# Altium PCB Stabilizer.PCBDOC (part 4 of 8) (continued)
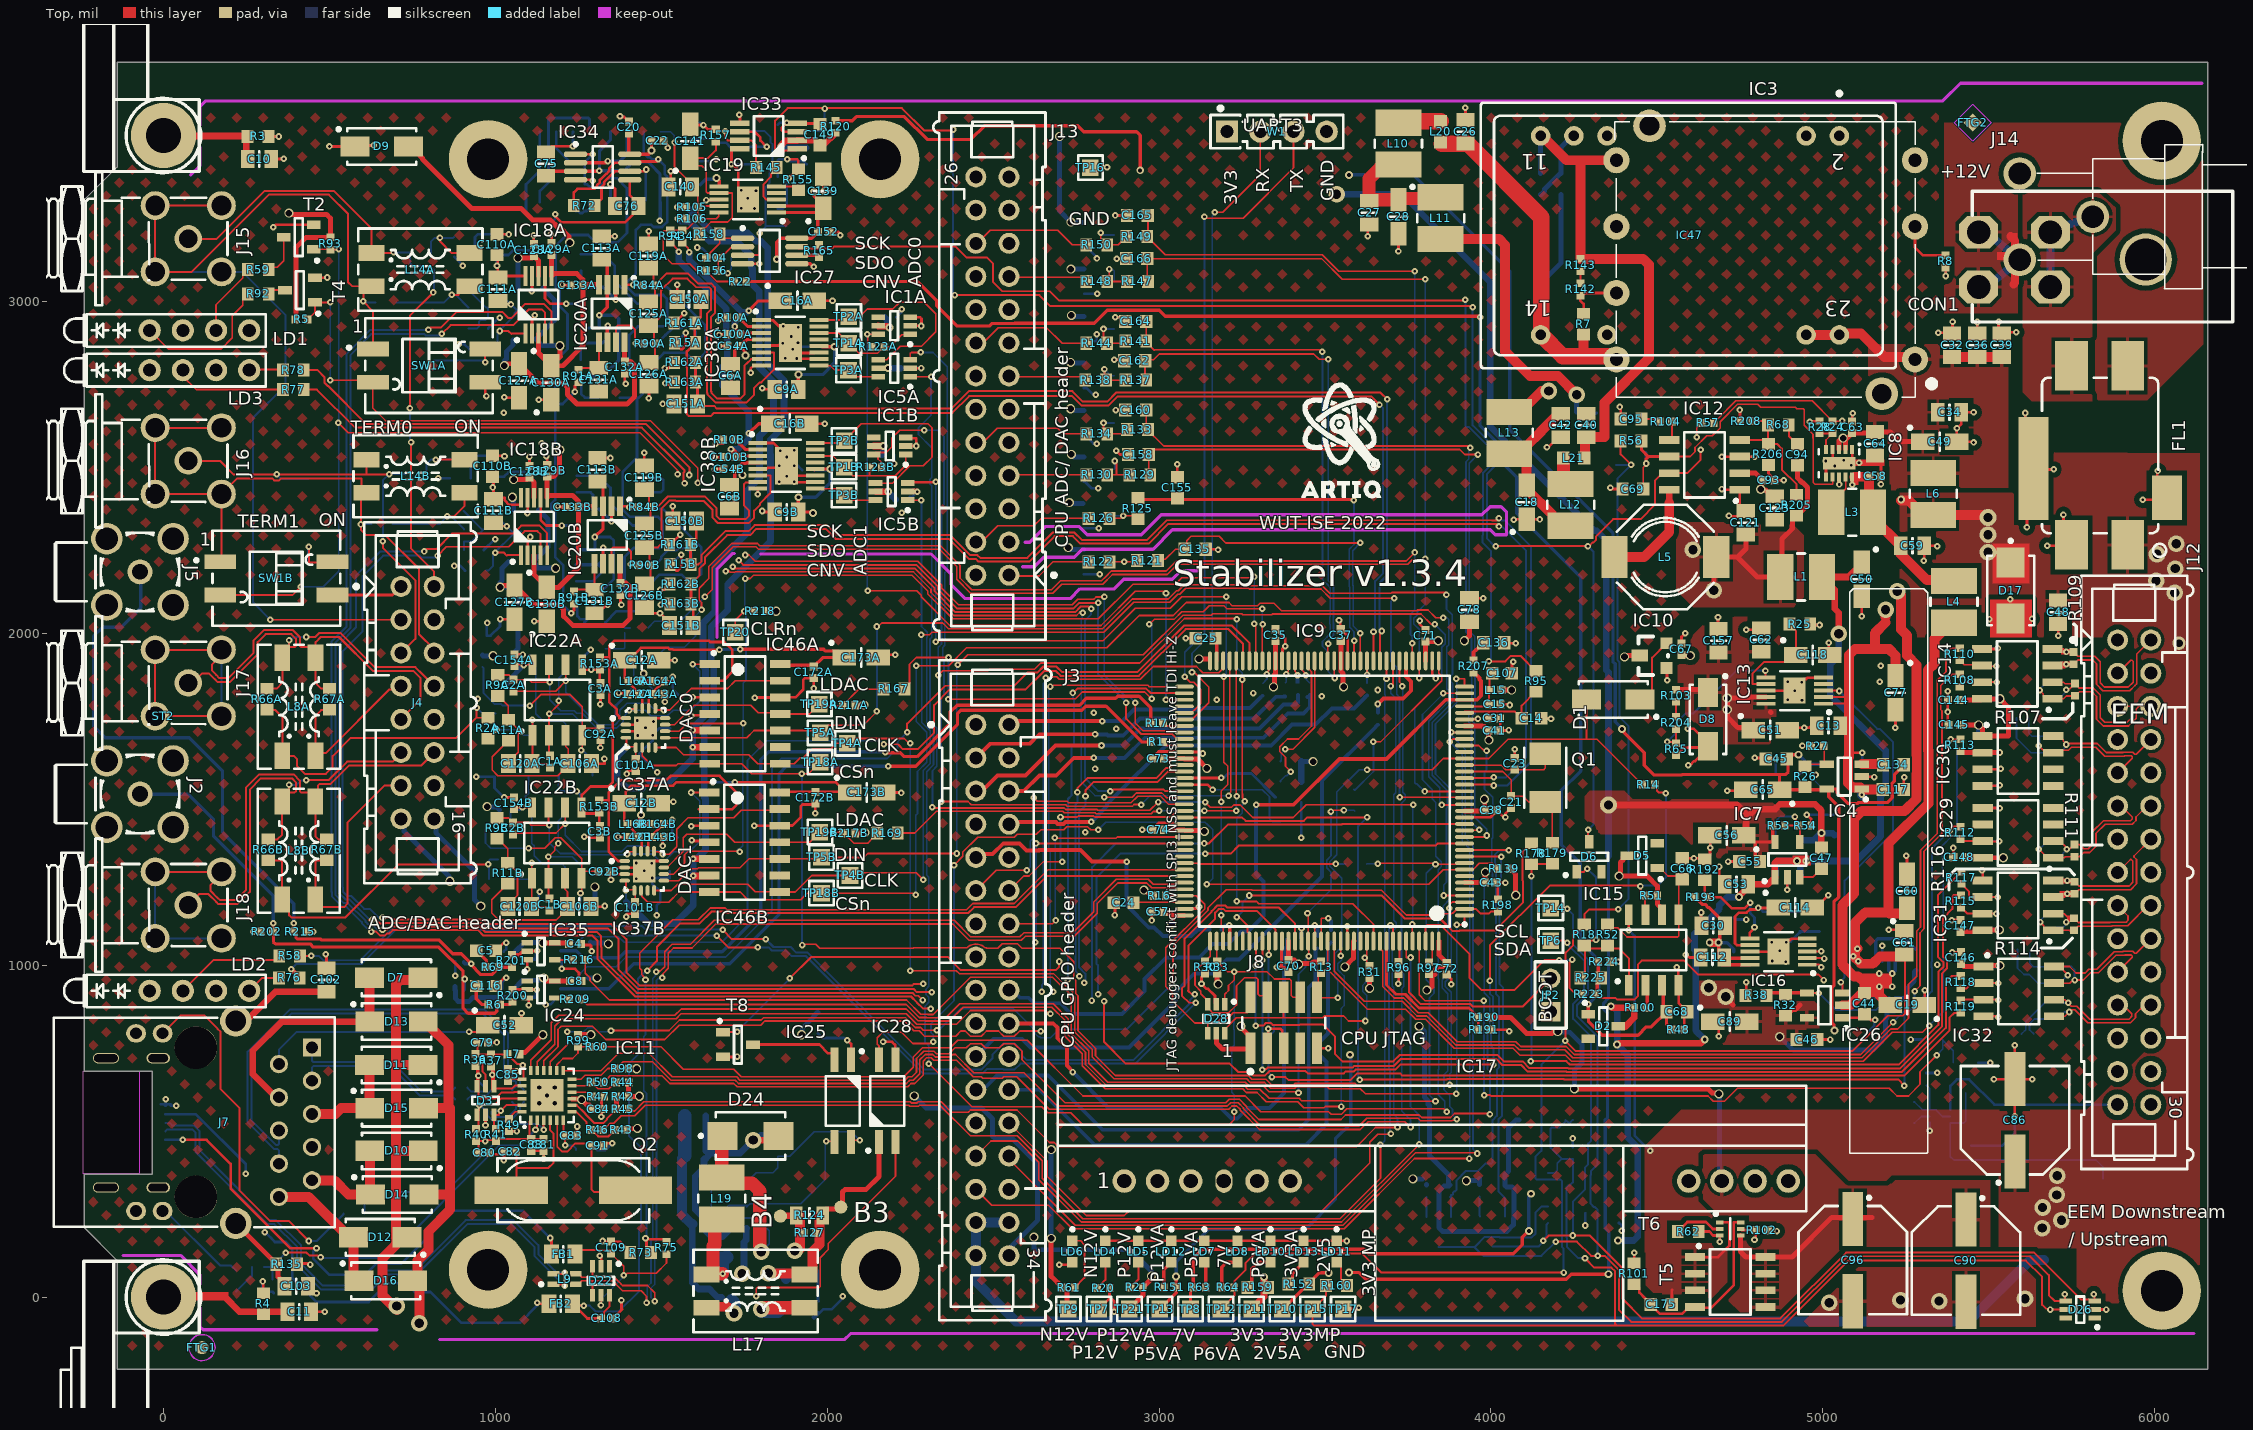
[diagram p0: Top view]
## Nets (pads, with @x,y where several pads share a name; then routed paths per layer and width w, separated by ;. In a path a pad name is that pad's centre, name@x,y a point inside that pad or via, vN(x,y) a via of type N, cw(c..) or ccw(c..) an arc to the next point about the centre after c; other vN are vias at no path point) (continued)
  Top w15: R218.2@1817.01,2066.76 1817.14,2066.63 1845.95,2066.63 v2(1846.08,2066.5)
  L3 w8: v1(3173.35,1799.81) 3054.31,1799.81 3029.44,1774.94 3010.03,1774.94 3002.36,1767.26 2892.65,1767.26 2885.06,1759.67 2844.52,1759.67 2839.04,1765.16 2827.59,1765.16 2822.87,1760.44 v1(2802.84,1760.44) 2802.24,1759.85 2802.24,1746.14 2778,1721.9 2778,1608.19 2794.25,1591.94 v1(2807,1591.94) 2807,1501.95 2770.67,1465.63 2770.67,1406.45 v1(2777.09,1400.03) 2788.27,1400.03 2803.74,1384.56 2828.58,1384.56 2839.56,1395.55 2839.56,1410.57 2848.7,1419.71 2848.7,1469.52 3017.04,1637.87 3331.7,1637.87 3398.82,1704.99 3570.51,1704.99 3626.5,1760.98 3626.5,1796.69 v1(3659,1829.19) 3589.45,1829.19 3569.86,1809.6 3537.44,1809.6 3517.84,1829.19 3376.43,1829.19 3357.73,1810.5 3331.71,1810.5 3313.01,1829.19 3296.01,1829.19 3286.82,1820 v1(3284,1820) 3212.91,1820 3195.21,1802.3
  Bot w8: J9.5@-7.86,581.17 -7.3,580.61 J9.5@1.36,580.61 ; v1(6.89,596.46) 6.89,581.04 6.8,581.04 J9.5@9.12,578.72 ; J9.5@16.35,580.61 J9.5@9.96,580.61 ; J9.5@16.9,580.59 21.28,580.59 21.28,578.05 22.86,576.48 38.09,576.48 v1(38.39,576.77) ; v1(299,47) 298.5,46.5 298.5,20.78 303.19,16.09 R55.2@328,16.09 R55.2@332,12.09 ; v1(827.6,2467) 827.83,2467.23 R82B.1@862.63,2467.23 ; R82A.1@875.8,3135.13 902,3108.93 v1(902,3107) ; v1(878.96,967.88) D30.2@878.96,1011.19 ; v1@878.98,2203 894.39,2203 C124B.1@908.5,2188.89 ; v1@892.14,2870.9 907.56,2870.9 C124A.1@921.67,2856.79 ; v1(942.68,1568.26) 943.61,1567.33 C98B.2@997.65,1567.33 997.65,1534.25 v1(1026.47,1505.43) ; R89B.1@965,2250.3 997.69,2283 v1(1000,2283) ; v1(975.41,2031.23) 974.45,2030.27 C98A.2@974.45,1993.08 986.08,1993.08 1014.2,2021.2 v1(1014.2,2043) ; R89A.1@978.16,2918.21 1010.86,2950.9 v1(1013.17,2950.9) ; C163.1@1021.03,928.67 1021.03,949.77 v1(1033,961.74) ; C161.1@1025.05,1041.14 1033,1049.09 v1(1033,1067.38) ; C97B.1@1130.36,1170.8 1130.36,1217.86 v1(1133.89,1221.38) ; v1(1152.39,880.49) 1153.95,882.06 1165.71,882.06 1181.61,897.96 1181.61,899.2 1185.48,903.08 IC21.3@1196.31,903.08 ; C97A.1@1190.56,1571.16 1190.56,1533.44 1200,1524 v1(1245.29,1524) ; IC2.3@1196.31,1018.17 1200,1014.48 v1(1200,988.8) ; RN3.7@1233.89,3511.38 1234,3511.27 v1(1234,3468) ; RN5A.4@1261.85,1905.43 1261.85,1925.07 v1(1287,1950.23) ; C87.1@1306.5,443 1332,443 v1(1352,463) ; RN4.4@1346.86,3298.79 v1(1346.86,3352.67) ; v1(1486.25,1150.2) 1486.25,1180.33 C138B.2@1496.93,1191.02 1496.93,1221.38 1472.33,1245.99 v3(1472.33,1262.61) 1525.48,1262.61 C99B.2@1525.48,1283.39 ; v1(1488.01,1580.83) 1433.16,1635.68 1474.09,1676.61 v3(1474.09,1693.23) 1494.88,1714.02 C99A.2@1527.24,1714.02 ; C168.1@1588.27,3552.72 1602.98,3538.02 1617.37,3538.02 1623.89,3531.5 v1(1627.05,3531.5) ; v1(1608.54,3162.54) 1610.78,3160.3 1622.96,3160.3 1648.14,3135.13 R154.1@1648.14,3133.16 ; C122.1@1618,3422.43 1656.77,3422.43 1662.88,3428.54 v1(1666.04,3428.54) ; v1(1711.13,3413) IC42.5@1764.09,3413 ; C167.1@1850.7,3279.28 1865.06,3279.28 C167.1@1877.7,3291.91 ; IC42.4@1850.7,3376.39 1850.7,3423.98 1855.39,3428.67 v1(1879.31,3428.67) 1882.48,3428.67 1888.37,3422.78 1927.54,3422.78 IC42.3@1937.31,3413 ; IC42.8@1850.7,3531.9 1856.82,3538.02 v1(1877.7,3538.02) ; C167.1@1877.7,3297.82 1877.7,3362.59 1883.95,3368.84 v1(1883.95,3371.51) ; v3(1900.95,2504.75) 1911.81,2504.75 C137B.1@1924.57,2492 ; v3(1912,2875.49) 1924.5,2862.99 C137A.1@1944.28,2862.99 ; C105.1@1972.06,-45.6 1956.53,-61.13 1960,-64.6 1987.6,-37 2012.6,-37 2049,-0.6 2047,1.4 v1(2047,2) ; C33.1@1972.06,79.43 1972.06,-10.4 C105.1@1974.06,-12.4 ; C7B.1@2201,2538.45 2202.17,2537.28 v1(2202.17,2511.53) ; C7A.1@2208.29,2952.29 2222.76,2966.77 2222.76,2974.76 v1(2225,2977) ; v1(2225,2363.02) v1@2225,2365.33 ; C159B.1@2241,2403 2249.2,2411.2 2255.99,2411.2 v1(2271.79,2427) ; C159A.1@2256.72,2798.77 2257.26,2799.31 v1(2283.86,2799.31) ; D25.1@2770.43,2316.68 2770.59,2316.84 v1(2818.66,2316.84) ; D23.1@2773.39,2177.77 v1(2821.62,2177.77) ; D27.1@2773.39,2456.7 2777.33,2456.7 2797.01,2437.02 v1(2816.7,2437.02) ; D29.1@2773.39,2596.47 2777.32,2596.47 2802.23,2571.57 v1(2811.94,2571.57) ; D31.1@2773.39,2739.08 2781.26,2739.08 2800.94,2719.4 v1(2808.82,2719.4) ; D33.1@2774.37,2879.64 2809.81,2879.64 2811.77,2881.61 v1(2811.77,2900.92) ; D35.1@2774.37,3022.81 v1(2813.74,3022.81) ; D34.1@2774.37,3162.57 2782.25,3162.57 2812.75,3132.07 v1(2812.75,3129.45) ; v1(3428.64,1384.39) R183.2@3428.64,1432.81 R182.2@3428.64,1490.36 ; v1(4246.55,477.92) 4246.55,451.84 C17.1@4246.6,451.79 ; IC6.2@4284,252.82 4284.26,252.56 4284.26,215.9 v1(4284.51,215.64) ; v1(4288.47,2627.87) 4290.71,2630.11 4290.71,2636.23 4318.04,2663.57 C29.1@4318.04,2664.55 ; IC48.4@4384.75,223.41 4386.43,223.41 4394.24,215.6 v1(4394.24,199.29) ; C115.2@4731,1143.18 4736.64,1137.54 v1(4769.12,1137.54) ; v1(4857.63,1621.41) 4857.63,1579.31 C169.1@4863.61,1573.33 ; v3(4889.44,1069.27) 4891.21,1071.04 4902.56,1071.04 4915.96,1084.44 4915.96,1084.79 4929.68,1098.5 R210.1@4931.64,1098.5 ; v1(4893.16,1227.69) 4894.14,1228.67 4894.14,1269.65 IC45.2@4895.11,1270.63 ; R210.1@4930.02,1101.43 R211.1@4989.92,1101.43 ; v1(4952,1453) 5032.92,1453 C171.1@5035,1455.08 ; IC43.2@5117.55,1568.26 5118.18,1567.63 5154.37,1567.63 v1(5155,1567) ; C174.1@5125.75,788.72 5125.75,789.7 5155.01,818.96 5155.01,832.76 v1(5157.24,835) ; IC44.6@5179.16,1010.45 5179.16,1058.55 v1(5179.47,1058.86) ; v1(5264.5,776) R197.1@5298.49,776 ; R196.1@5311.19,675.34 v1(5344.14,675.34) ; R195.1@5446.99,456.16 5540.82,456.16 5578.5,493.85 v1(5578.5,544.63) ; T11.2@5468.05,706 v1(5504.39,706) ; IC23.4@5479.36,1952.74 5481.41,1954.79 v1(5527.53,1954.79) ; v1(5479.53,1286.44) 5481.36,1284.61 IC40.4@5481.36,1255.05 ; IC39.5@5481.7,1540.31 5528.11,1540.31 5530.37,1542.57 v1(5533.53,1542.57) ; IC36.4@5481.75,1473.77 5532.2,1473.77 v1(5532.53,1473.44) ; IC41.5@5483.76,846.02 5485.05,844.73 5527.24,844.73 v1(5528.53,843.44) ; J9.5@1.36,580.61 J9.5@9.96,580.61 ; J9.5@1.36,580.61 5.67,576.31 J9.5@9.96,580.59 ; v1(1245.29,1524) 1258,1511.29 ; v1(1245.29,1524) 1247.84,1524 1258,1513.84 1258,1511.29 ; 1258,1511.29 1258,1476.89 RN5B.4@1260.08,1474.81 1260.08,1509.21 1258,1511.29
  other v1: 5345,1001.97 2870.83,1713.02 3490,1810.51 5174,1902.3 3380,1960.86 5501.2,2043.07 5630.2,2044.07 876.25,2203 1105.63,2290.26 5109.01,2514.4 1139.26,2573 1025.8,2664.62 889.41,2870.9 2282.85,2926 1118.79,2958.16
  other v3: 4888.22,1010.13 4847.44,1012.56 4870.22,1043.13 4846.22,1069.13 1425.13,1261 1448.7,1284.26 1471.44,1307 1424.88,1307.88 1428.91,1692 1428,1737.45 4893.66,1799.32 4936.99,1798.82 4915.25,1826.73 4936.49,1852.72 4893.66,1853.51 1854.88,2457.11 1901.01,2457.11 1877.7,2473.06 5036,2504 5085,2505.96 5009,2519.22 5063,2521 1877.7,2531.37 1858.44,2550.5 1900.95,2551.05 1908.44,2828 1873,2829 1891.5,2894.27 1913.14,2922 1867,2925.46 1741,3280.26 1781,3280 1761.05,3311 1785.28,3334 1741,3335
  other v5: 5019,-17.46 5350.16,-12 5234,-9 5609,-5
  other v6: 1131.86,584 1179.1,584 1155.49,607.62 1131.86,631.25 1179.11,631.24
GNDF: CON1.1 CON1.2 FL1.3 J14.1 | length 301.4
  Bot w25: CON1.2@5685.63,3043.49 CON1.1@5685.63,3208.85 5732.18,3228.27 J14.1@5813.41,3255.44
HRTIM_CHA1: IC9.96 J3.14 | length 790.5
  Top w5: J3.14@2547.8,1124.73 2678.73,1124.73 2688.73,1134.74 v1(2689,1134.74) ; v1(2685,1384) 2686.32,1382.68 2869.74,1382.68 2873.48,1386.42 IC9.96@3075.91,1386.42
  Top w6: J3.14@2547.8,1124.73 J3.14@2548.66,1123.87
  Bot w5: v1(2685,1384) 2687,1382 2687,1136.74 v1(2689,1134.74)
HRTIM_CHA2: IC9.97 J3.15 | length 942.7
  Top w5: v1(2629.03,1366.74) 2629.11,1366.66 3075.83,1366.66 IC9.97@3075.91,1366.74
  L3 w5: J3.15@2447.8,1024.73 2491.96,1068.89 v1(2626.3,1068.89)
  Bot w5: v1(2626.3,1068.89) 2629.03,1071.62 v1(2629.03,1366.74)
HRTIM_CHE1: IC9.91 J3.11 | length 884.1
  Top w5: J3.11@2447.8,1224.73 2508.8,1285.74 2600.74,1285.74 v1(2601,1286) ; v1(2622.4,1504.53) 2633.19,1493.74 2722.5,1493.74 2726.89,1489.34 2821.08,1489.34 2821.34,1489.08 2915.52,1489.08 2935.44,1509 3004.32,1509 3028.47,1484.85 IC9.91@3075.91,1484.85
  Bot w5: v1(2601,1286) 2611.68,1296.68 2611.68,1373.92 2622.4,1384.64 v1(2622.4,1504.53)
HRTIM_CHE2: IC9.92 J3.12 | length 715.3
  Top w5: J3.12@2547.8,1224.73 2591.72,1268.66 2608.18,1268.66 2651.71,1312.18 v1(2707.66,1312.18) ; v1(2702.89,1446.4) 2753.55,1446.4 2756.5,1449.34 2803.18,1449.34 2805.87,1446.66 3034.77,1446.66 3053.27,1465.16 IC9.92@3075.91,1465.16
  Bot w5: v1(2702.89,1446.4) 2702.89,1320.93 2707.66,1316.16 v1(2707.66,1312.18)
I2C1_SCL: IC9.139 J3.27 | length 2220.2
  Top w5: J3.27@2447.8,424.73 2493.26,470.19 2574.05,470.19 2637.55,406.7 2637.55,353.92 2765.47,226 3549.79,226 v1(3783.59,459.79) ; IC9.139@3744.22,1072.45 3744.22,1023.39 3744.45,1023.15 v1(3757.63,1023.15)
  Bot w5: v1(3757.63,1023.15) 3757.63,574.17 3783.59,548.22 v1(3783.59,459.79)
I2C1_SDA: IC9.137 J3.26 | length 2116
  Top w5: J3.26@2547.8,524.73 2662.4,410.13 2662.4,363.9 2780.3,246 2895.19,246 2908.19,259 3489.39,259 3634.39,404 3634.39,466.23 3659,490.84 3697.76,490.84 v1(3698.57,491.66) ; v1(3697.19,1120.57) 3704.85,1112.91 IC9.137@3704.85,1072.45
  Bot w5: v1(3697.19,1120.57) 3692.66,1116.03 3692.66,689.89 3695.61,686.93 3695.61,494.62 v1(3698.57,491.66)
I2C2_SCL: IC9.11 R23.2 T3.2 | length 1378.5
  Top w6: IC9.11@3920.4,1347.05 4052.24,1347.05 v1(4053.47,1345.82)
  Bot w6: R23.2@3875.96,300.87 3876.75,300.87 3885.17,309.29 3885.17,314.94 3888.68,318.46 3891.48,318.46 3896.17,323.15 3896.17,351.75 3924.65,380.24 3961.74,380.24 3984.62,403.12 4001.32,403.12 4004.84,406.63 4004.84,533.42 4017.47,546.05 4017.47,685.52 4024.74,692.8 4024.74,903.35 4014.74,913.35 4014.74,1260.58 4014.92,1260.75 4014.92,1305.04 4012.79,1307.16 4012.79,1334.06 4024.56,1345.82 v1(4053.47,1345.82) ; T3.2@3879.87,240.97 R23.2@3879.87,306.85
I2C2_SDA: IC9.10 R74.2 T1.2 | length 1221.5
  Top w6: IC9.10@3920.4,1327.37 4029.93,1327.37 v1(4030.64,1326.66)
  Bot w6: v1@4025.74,1321.77 v1(4030.64,1326.66) 4030.64,1260.91 4025.74,1256.02 4025.74,942.98 4035.74,932.98 4035.74,619.94 4033.75,617.94 4033.75,546.77 4022.1,535.12 4022.1,318.32 4041.51,298.9 R74.2@4042.3,298.9 4042.24,298.84 T1.2@4042.24,243.28
I2C_SCL: D26.4 IC6.1 IC48.6 J12.27 T3.3 TP14.1 | length 4882.5
  Top w6: TP14.1@4180,1172 4227.95,1172 v1(4229.48,1170.47) ; v1(4194.7,167) 4258.54,167 4301.48,124.06 v1(4321.4,124.06) 4343.01,124.06 4385.31,81.76 4385.31,-37.9 4422.41,-75 4876.44,-75 5074.44,123 5624.18,123 5681.24,65.94 5681.24,6.12 5696.37,-9.02 5699.32,-11.97 D26.4@5732.39,-11.97 5730.28,-9.85 v1@5730.28,8.56
  L3 w6: v1(5729.37,8.56) 5699.51,8.56 5556.5,151.57 5556.5,423.93 5617.28,484.71 5901.08,484.71 5935.02,518.65 5935.02,632.89 5893.14,674.78 5893.14,679.79 J12.27@5888.13,679.79
  Bot w6: T3.3@3842.47,150.42 3950.34,150.42 ; IC48.6@4172.15,273.41 4153.45,273.41 4133.64,253.6 4133.64,208.28 4134.06,207.86 4134.06,191.35 4122.45,179.74 4026.22,179.74 4024.57,181.39 3981.31,181.39 3950.34,150.42 ; v1(4194.7,167) 4151.75,124.06 3976.71,124.06 3950.34,150.42 ; v1(4229.48,1170.47) 4247.32,1152.63 4247.32,1061.47 4293,1015.79 4293,913.05 4258.58,878.63 4258.58,847.61 4321.4,784.78 4321.4,399.96 4301.59,380.15 4301.59,369.33 4300,367.74 4300,281.6 4310.12,271.47 4312.59,271.47 4321.4,262.66 IC6.1@4321.4,252.82 v1(4321.4,124.06)
I2C_SDA: D26.3 IC6.3 IC48.5 J12.26 T1.3 TP6.1 | length 4552
  Top w6: v1(4157.78,169.82) 4173.54,185.58 v1(4246.55,185.58) 4297.04,185.58 4396.31,86.32 4396.31,-5.47 4454.83,-64 4871.89,-64 5069.89,134 5636.7,134 5778.32,-7.62 D26.3@5800.39,-7.62 ; TP6.1@4180,1073.89 4219.74,1073.89 4225.77,1067.86 v1(4229.48,1067.86) ; v1@5817.8,8.56 5817.8,-10.76 D26.3@5819.01,-11.97 v1@5819.01,8.56
  L3 w6: v1(5816.58,8.56) 5816.58,93.07 5792,117.65 5605.98,117.65 5567.5,156.12 5567.5,419.37 5617.46,469.33 5905.91,469.33 5948.63,512.05 5948.63,740.29 J12.26@5988.13,779.79
  Bot w6: T1.3@4004.84,152.72 4143.98,152.72 4157.78,166.52 4157.78,173.52 4167.28,183.02 4167.28,218.53 IC48.5@4172.15,223.41 ; v1(4229.48,1067.86) 4229.48,1064.15 4236.32,1057.31 4236.32,1056.91 4282,1011.23 4282,950.18 4280.44,948.62 4280.44,916.04 4247.58,883.18 4247.58,838.52 4301.59,784.51 4301.59,471.14 4293,462.55 4293,399.96 4284,390.96 4284,325 4246.6,287.6 IC6.3@4246.6,252.82 4246.6,185.63 v1(4246.55,185.58)
INA_N: C119A.2 C125A.2 IC38A.7 R84A.2 | length 920.9
  Top w6: C125A.2@1462.06,2997.73 1480.57,3016.24 R84A.2@1480.57,3048.32 ; C119A.2@1462.05,3101.47 1476.39,3087.12 1476.39,3052.5 R84A.2@1480.57,3048.32 ; IC38A.7@1795.86,2824.96 IC38A.7@1802.39,2824.96 ; IC38A.7@1802.39,2826.06 1770.95,2826.06 1762.07,2817.19 1761.19,2817.19 1750,2806 1750,2719.19 1738.92,2708.11 1667.6,2708.11 1651.74,2723.97 1651.74,2727.86 1649.58,2730.02 1649.58,2952.59 1661.58,2964.59 1661.58,3043.02 1649.87,3054.74 1610.06,3054.74 1580,3084.8 1517.05,3084.8 R84A.2@1480.57,3048.32
INA_P: C125A.1 C126A.1 IC38A.6 R90A.2 | length 1113.7
  Top w6: C126A.1@1462.91,2816.2 1480.56,2833.85 1480.56,2872.73 1478.02,2875.27 1478.02,2910.9 C125A.1@1462.06,2926.86 1471.86,2926.86 1499,2954 1499,3031.82 1499.99,3032.8 1499.99,3035.1 1533.89,3069.01 1578.82,3069.01 1605.09,3042.74 1644.9,3042.74 1649.58,3038.05 1649.58,2974.34 1637.58,2962.34 1637.58,2725.05 1639.74,2722.89 1639.74,2719 1662.63,2696.11 1757.3,2696.11 1779.85,2718.67 1779.85,2739.47 1796.58,2756.19 1801.6,2756.19 1839.25,2793.84 1839.25,2845.75 IC38A.6@1802.39,2845.75 ; IC38A.6@1795.86,2844.64 IC38A.6@1802.39,2844.64
INB_N: C119B.2 C125B.2 IC38B.7 R84B.2 | length 620.9
  Top w6: C125B.2@1448.89,2329.83 1467.4,2348.34 R84B.2@1467.4,2380.42 ; C119B.2@1448.88,2433.56 1463.23,2419.22 1463.23,2384.6 R84B.2@1467.4,2380.42 ; IC38B.7@1790.69,2455.54 1789.97,2454.83 1754.83,2454.83 1749.76,2449.76 1749.76,2384.56 1763.85,2370.47 1763.85,2352.85 1754.87,2343.87 1675.86,2343.87 1666.51,2353.22 1666.51,2376.57 1630.39,2412.68 1520.3,2412.68 1488.04,2380.42 R84B.2@1467.4,2380.42
INB_P: C125B.1 C126B.1 IC38B.6 R90B.2 | length 811.4
  Top w6: C126B.1@1449.74,2148.3 1467.39,2165.95 1467.39,2204.83 1464.85,2207.37 1464.85,2243 C125B.1@1448.89,2258.96 1489.44,2258.96 1500,2269.52 1500,2375.41 1525.27,2400.68 1542.07,2400.68 1543.75,2399 1627.1,2399 1654.51,2371.6 1654.51,2348.25 1670.89,2331.87 1763.01,2331.87 1780,2348.85 1780,2369.65 1796.73,2386.37 1796.73,2390.71 1828.78,2422.76 1828.78,2475.22 IC38B.6@1790.69,2475.22
INVA: C2A.1 IC22A.6 IC37A.13 IC46A.13 | length 1047.3
  Top w5: C2A.1@1054.99,1825.12 1055.57,1825.7 1181.65,1825.7 v1(1212.36,1856.42) 1212.36,1904.92 IC22A.6@1211.85,1905.43 ; IC37A.13@1481.96,1771.97 1485.01,1768.92 v1(1507.76,1768.92) ; v1@1507.76,1768.35 1508.33,1768.92 1525.38,1768.92 1590.34,1833.88 1699.75,1833.88 1722.94,1857.07 IC46A.13@1848.97,1857.07
  Bot w5: v1(1212.36,1856.42) 1212.36,1822.5 1310.12,1724.75 1361.28,1724.75 1375.08,1738.55 1375.08,1768.35 1396.41,1789.69 1459.39,1789.69 1480.15,1768.92 v1(1507.76,1768.92)
INVB: C2B.1 IC22B.6 IC37B.13 IC46B.13 | length 1042.6
  Top w5: C2B.1@1053.22,1394.5 1056.92,1398.2 1183,1398.2 v1(1210.6,1425.79) 1210.6,1474.29 IC22B.6@1210.08,1474.81 ; IC37B.13@1480.2,1341.35 1480.65,1341.35 1481.38,1342.08 1492.48,1342.08 1500.03,1334.53 v1(1504,1334.53) ; v1@1504,1332.82 1505.71,1334.53 1523.63,1334.53 1546.13,1357.04 1546.13,1409.78 1580.38,1444.02 1718.01,1444.02 1740.95,1466.96 1843.99,1466.96 IC46B.13@1847.42,1470.39
  Bot w5: v1(1210.6,1425.79) 1210.6,1391.88 1259.66,1342.82 1381.29,1342.82 1397.54,1359.06 1452.47,1359.06 1466.53,1345 1477.44,1345 1477.55,1344.89 1489.83,1344.89 1500.18,1334.53 v1(1504,1334.53)
JADC1_IN2_N: J13.4 R126.2 | length 359.2
  Top w5: J13.4@2458.43,2272.6 2462.52,2272.6 2513.57,2323.65 2622.4,2323.65 2644.96,2346.21 R126.2@2787.17,2346.21
JADC1_IN2_P: J13.1 R122.2 | length 246.4
  Top w5: J13.1@2558.43,2172.6 2637.95,2172.6 2680.52,2215.17 R122.2@2787.17,2215.17
JADC2_IN2_N: J13.16 R144.2 | length 361.5
  Top w5: J13.16@2458.43,2872.6 2467.16,2872.6 2515.68,2921.13 2660.91,2921.13 2708.01,2874.03 R144.2@2780.28,2874.03
JADC2_IN2_P: J13.13 R138.2 | length 223
  Top w5: J13.13@2558.43,2772.6 2767.52,2772.6 R138.2@2777.32,2762.8
JADC3_IN5_N: J13.10 R134.2 | length 347.8
  Top w5: J13.10@2458.43,2572.6 2466.95,2572.6 2512.29,2617.94 2694.65,2617.94 2711.49,2601.09 R134.2@2780.44,2601.09
JADC3_IN5_P: J13.7 R130.2 | length 224
  Top w5: J13.7@2558.43,2472.6 2563.15,2477.33 R130.2@2780.44,2477.33
LED1: IC11.2 R55.1 R213.1 | length 1072.6
  Top w6: v1(369.01,133.85) 369.16,134 431.04,134 440.4,124.63 465.23,124.63 469.54,120.33 v1(473.24,120.33) ; v1(1121,504) 1125.96,508.96 IC11.2@1125.96,532.82
  Bot w6: R213.1@303.5,91.14 326.29,91.14 328,92.84 ; R55.1@328,53.1 328,92.84 ; v1(369.01,133.85) 328,92.84 ; v1(473.24,120.33) 475.78,117.79 672.6,117.79 1010.81,456 1073,456 v1(1121,504)
LED2: IC11.3 R212.1 | length 585.2
  Top w6: IC11.3@1145.64,532.82 1145.64,504.36 v1(1146,504)
  Bot w6: R212.1@682.17,317 850.16,317 1055,521.84 1128.39,521.84 1146,504.23 v1(1146,504)
LPTIM2_OUT: IC9.74 J3.17 | length 1526
  Top w6: v1(2740,1820.33) 2740.29,1820.33 2753.47,1833.51 2961.09,1833.51 2974.46,1820.14 3075.26,1820.14 IC9.74@3075.91,1819.49
  L3 w5: J3.17@2447.8,924.73 J3.17@2454.79,924.73
  L3 w6: J3.17@2447.8,924.73 2487.29,964.23 2692.48,964.23 2700.71,956 v1(2725,956)
  Bot w6: v1(2725,956) 2725.5,956.5 2725.5,1500.77 2737.25,1512.52 2736.16,1513.61 2736.16,1657.72 2744.15,1665.71 2744.15,1798.48 2741.15,1801.48 2741.15,1819.18 v1(2740,1820.33)
LVDS0_N: IC14.4 IC23.5 J12.3 R109.2 | length 493.9
  Top w5: IC14.4@5691.96,1952.74 5724.97,1952.74 ; v1(5734,1943.76) R109.2@5754.95,1943.76 5767.96,1930.76 5818.76,1930.76 5835.57,1913.95 5835.57,1850.71 5848.17,1838.11 5920.24,1838.11 5935.14,1853.01 5935.14,1915 5931.14,1919 5927.34,1919 J12.3@5888.13,1879.79
  Bot w5: IC23.5@5691.95,1952.74 5701.02,1943.67 5733.9,1943.67 v1(5734,1943.76)
LVDS0_P: IC14.3 IC23.6 J12.2 R109.1 | length 527
  Top w5: IC14.3@5691.96,1902.74 v1@5724.97,1902.74 ; v1@5733.29,1906.75 R109.1@5754.95,1906.75 5767.96,1919.76 5813.45,1919.76 5824.57,1908.64 5824.57,1846.15 5843.61,1827.11 5924.79,1827.11 5940.61,1842.93 5946.14,1848.46 5946.14,1937.8 J12.2@5988.13,1979.79
  Bot w5: IC23.6@5691.95,1902.74 5728.82,1902.74 v1(5733.29,1907.21)
LVDS1_N: IC14.1 IC23.7 J12.6 R107.1 | length 533.5
  Top w5: v1(5653,1828.21) 5663.95,1817.26 5663.95,1812.05 5673.26,1802.74 IC14.1@5691.96,1802.74 5724.97,1802.74 5733.35,1811.12 5760.12,1811.12 5773.12,1824.12 5810.12,1824.12 5824.57,1809.68 5824.57,1741.11 5844.85,1720.82 5920.68,1720.82 5943.98,1744.12 5943.98,1771.94 5951.83,1779.79 J12.6@5988.13,1779.79
  Bot w5: v1(5653,1828.21) 5654.07,1828.21 5657,1831.14 5657,1835.48 5663.94,1842.42 5663.94,1843.43 5673.25,1852.74 IC23.7@5691.95,1852.74